# KiCad board 10087.kicad_pcb (continued)
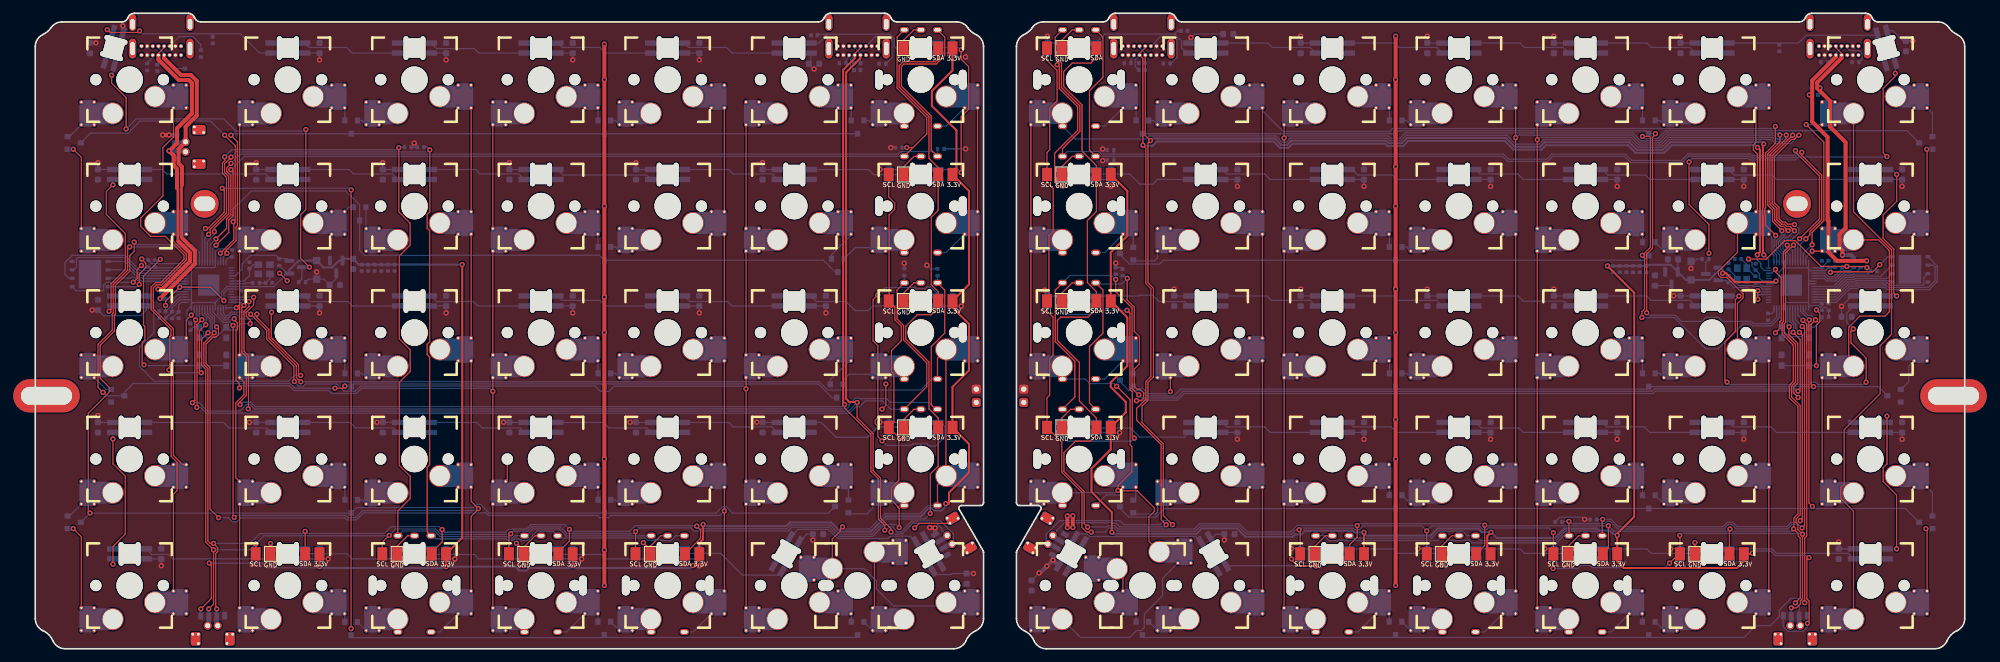
[diagram p0: board, top side]
## Placement (name value [footprint] x y rotation side) (continued)
R35  5.1kR  [R_0402_1005Metric]  161.79 75.1 180 bottom
R36  5.1kR  [R_0402_1005Metric]  161.79 73.58 180 bottom
R37  5.1kR  [R_0402_1005Metric]  162.58 56.92 90 bottom
R38  5.1kR  [R_0402_1005Metric]  163.59 56.68 90 bottom
R39  5.1kR  [R_0402_1005Metric]  229.21 19.11 180 bottom
R40  5.1kR  [R_0402_1005Metric]  234.46 19.44 180 bottom
SW1  KMR221NGLFS  [SW_Push_1P1T_NO_CK_KMR2]  26.69 47.62 0 bottom
SW2  KMR221NGLFS  [SW_Push_1P1T_NO_CK_KMR2]  26.69 43.46 180 bottom
SW3  KMR221NGLFS  [SW_Push_1P1T_NO_CK_KMR2]  264.81 47.62 0 bottom
SW4  KMR221NGLFS  [SW_Push_1P1T_NO_CK_KMR2]  264.81 43.46 180 bottom
U1  -  [RP2040TR13]  26.09 54.77 270 bottom
U2  MCP1700-3302E_SOT23  [SOT-23]  45.28 57.52 270 bottom
U3  W25Q32JVZP  [WSON-8-1EP_6x5mm_P1.27mm_EP3.4x4.3mm]  8.23 56.43 0 bottom
U4  -  [RP2040TR13]  264.22 54.77 90 bottom
U5  W25Q32JVZP  [WSON-8-1EP_6x5mm_P1.27mm_EP3.4x4.3mm]  282.08 57.15 180 bottom
U6  MCP1700-3302E_SOT23  [SOT-23]  246.2 55.83 270 bottom
USB1  -  [TYPEC-306DDW-ARP16#2]  18.95 90.77 0 bottom
USB2  -  [TYPEC-306DDW-ARP16#2]  123.73 90.77 0 bottom
USB3  -  [TYPEC-306DDW-ARP16#2]  166.59 90.77 0 bottom
USB4  -  [TYPEC-306DDW-ARP16]  271.36 90.77 0 bottom
Y1  12Mhz  [Crystal_SMD_2520-4Pin_2.5x2.0mm]  34.43 57.15 0 bottom
Y2  12Mhz  [Crystal_SMD_2520-4Pin_2.5x2.0mm]  256.81 56.46 90 bottom

## Library data of the parts
C1-C6 C16-C21 = -: Description: Unpolarized capacitor
C7-C15 C22-C30 LC1-LC35 LC51-LC85 = -: Description: Unpolarized capacitor, small symbol
D16 D17 D39 D40 D42-D45 D47-D50 = -: Description: Diode
D41 D46 = -: Description: 1000V 1A General Purpose Rectifier Diode, DO-41
H1-H4 = -: Description: Mounting Hole with connection
J1-J8 J16-J23 = -: Description: Generic connector, single row, 01x04, script generated (kicad-library-utils/schlib/autogen/connector/)
J9-J12 J24 = -: Description: Generic connectable mounting pin connector, single row, 01x04, script generated (kicad-library-utils/schlib/autogen/connector/); LCSC Part Number: C588524; Manufacturer: MOLEX
J13 J14 = -: Description: Generic connector, single row, 01x02, script generated (kicad-library-utils/schlib/autogen/connector/)
LED1-LED35 LED51-LED85 = -: Description: RGB LED with integrated controller
Q1 Q2 = -: Description: 50V Vds, 0.22A Id, N-Channel MOSFET, SOT-23
R1-R40 = -: Description: Resistor
SW1-SW4 = -: Description: Push button switch, generic, two pins
U1 = -: Field4: 0.268in/6.807mm; Field5: 0.016in/0.4mm; Field6: 0.126in/3.2mm; Field7: 0.007in/0.178mm; Field8: 0.126in/3.2mm; Field9: 0.032in/0.813mm; Field10: 0.268in/6.807mm
U2 U6 = -: Description: 250mA Low Quiscent Current LDO, 3.3V output, SOT-23
U3 U5 = -: Description: 32Mb Serial Flash Memory, Standard/Dual/Quad SPI, DFN-8
U4 = -: Field4: 0.268in/6.807mm; Field5: 0.016in/0.4mm; Field6: 0.032in/0.813mm; Field7: 0.007in/0.178mm; Field8: 0.268in/6.807mm; Field9: 0.126in/3.2mm; Field10: 0.126in/3.2mm
Y1 Y2 = -: Description: Four pin crystal, GND on pins 2 and 4

## Footprints (pads in the part's own frame, mm; a bottom-side part is the same pattern mirrored in y, then rotated)
C_0402_1005Metric
  rrect 0.56x0.62 smd: 1(-0.48,0) 2(0.48,0)
C_0603_1608Metric
  rrect 0.9x0.95 smd: 1(-0.775,0) 2(0.775,0)
Crystal_SMD_2520-4Pin_2.5x2.0mm
  rect 1.15x1 smd: 1(-0.875,-0.7) 2(0.875,-0.7) 3(0.875,0.7) 4(-0.875,0.7)
D_0402_1005Metric
  rrect 0.59x0.64 smd: 1(-0.485,0) 2(0.485,0)
D_SOD-123F
  rect 1.1x1.1 smd: 1(-1.4,0) 2(1.4,0)
encoder_minimal
  oval 3x1.2 hole 3x1.2 unplated: (0,-6.3) (0,6.3)
  oval 0.9x1.4 hole 0.5x1: 1(7.5,-2.5) 2(7.5,2.5) 3(7.5,0) 4(-7,2.5) 5(-7,-2.5)
MKI2C-1U
  round 2.7 hole 2.7 unplated: (0,0)
  rect 1.5x2 smd: 1(-2.6,4.763) 2(2.6,4.763) 3(-4.838,4.763) 4(4.763,4.763)
MKI2C-1U#2
  round 2.7 hole 2.7 unplated: (0,0)
  rect 1.5x2 smd: 1(-2.6,4.763) 2(2.6,4.763) 3(-4.838,4.763)
MKI2C-1U#3
  round 2.7 hole 2.7 unplated: (0,0)
  rect 1.5x2 smd: 1(-2.6,4.763) 2(2.6,4.763) 4(4.763,4.763)
Molex_Pico-EZmate_781710004
  rrect 0.7x1 smd: (-2.95,-2) (2.95,-2)
  rrect 0.75x1.2 smd: 1(-1.8,2) 4(1.8,2)
  round 1.2 hole 0.75: 2(-0.75,0.5) 3(0.75,0.5)
  rrect 0.75x2 smd: 2(-0.6,1.6) 3(0.6,1.6)
  round 0.6 hole 0.4: MP(-3,-0.8) MP(-2.15,-2.2) MP(-2.15,-0.8) MP(2.15,-2.2) MP(2.15,-0.8) MP(3,-0.8)
  rrect 1.45x2 smd far side: MP(-2.575,-1.5) MP(2.575,-1.5)
  rrect 1.45x2 smd: MP(-2.575,-1.5) MP(2.575,-1.5)
MountingHole_3.2mm_M3_Pad
  oval 10x5 hole 7.7x2.7: 1(0,0)
MountingHole_3.2mm_M3_Pad#2
  round 4.2 hole 3.2x2.2: 1(0,0)
MX-Kailh-Socket
  rrect 2.55x3 smd: (-6.29,5.08) (7.56,2.54)
  round 1.702 hole 1.702 unplated: (-5.08,0) (5.08,0)
  round 3.988 hole 3.988 unplated: (0,0)
  round 3.3 hole 3: 1(3.81,2.54) 2(-2.54,5.08)
  rect 3.3x3.3 smd: 1(5.46,2.55) 2(-4.19,5.08)
  round 0.6 hole 0.3: 1(6.59,0.84) 1(6.59,4.242) 1(8.53,0.838) 1(8.53,4.242) 2(-7.26,3.378) 2(-7.26,6.78) 2(-5.32,3.378) 2(-5.32,6.782)
  rrect 2.55x4 smd: 1(7.56,2.54) 2(-6.29,5.08)
PinSocket_1x02_P2.00mm_Vertical
  rrect 1.35x1.35 hole 0.8: 1(0,0) 2(0,-2)
R_0402_1005Metric
  rrect 0.54x0.64 smd: 1(-0.51,0) 2(0.51,0)
RP2040TR13
  rect 0.813x0.178 smd: 1(-3.404,2.6) 2(-3.404,2.2) 3(-3.404,1.8) 4(-3.404,1.4) 5(-3.404,1) 6(-3.404,0.6) 7(-3.404,0.2) 8(-3.404,-0.2) 9(-3.404,-0.6) 10(-3.404,-1) 11(-3.404,-1.4) 12(-3.404,-1.8) 13(-3.404,-2.2) 14(-3.404,-2.6) 29(3.404,-2.6) 30(3.404,-2.2) 31(3.404,-1.8) 32(3.404,-1.4) 33(3.404,-1) 34(3.404,-0.6) 35(3.404,-0.2) 36(3.404,0.2) 37(3.404,0.6) 38(3.404,1) 39(3.404,1.4) 40(3.404,1.8) 41(3.404,2.2) 42(3.404,2.6)
  rect 0.178x0.813 smd: 15(-2.6,-3.404) 16(-2.2,-3.404) 17(-1.8,-3.404) 18(-1.4,-3.404) 19(-1,-3.404) 20(-0.6,-3.404) 21(-0.2,-3.404) 22(0.2,-3.404) 23(0.6,-3.404) 24(1,-3.404) 25(1.4,-3.404) 26(1.8,-3.404) 27(2.2,-3.404) 28(2.6,-3.404) 43(2.6,3.404) 44(2.2,3.404) 45(1.8,3.404) 46(1.4,3.404) 47(1,3.404) 48(0.6,3.404) 49(0.2,3.404) 50(-0.2,3.404) 51(-0.6,3.404) 52(-1,3.404) 53(-1.4,3.404) 54(-1.8,3.404) 55(-2.2,3.404) 56(-2.6,3.404)
  rect 3.2x3.2 smd: 57(0,0)
SOT-23
  rrect 1.475x0.6 smd: 1(-0.938,0.95) 2(-0.938,-0.95) 3(0.938,0)
SOT-23-minimal
  rect 0.9x0.8 smd: 1(-1,0.95) 2(-1,-0.95) 3(1,0)
SW_Push_1P1T_NO_CK_KMR2
  rect 0.9x1 smd: 1(-2.05,0.8) 1(2.05,0.8) 2(-2.05,-0.8) 2(2.05,-0.8)
TYPEC-306DDW-ARP16
  round 0.65 hole 0.4: 1(-2.975,1.35) 2(-2.125,1.35) 3(-1.275,1.35) 4(-0.425,1.35) 5(0.425,1.35) 6(1.275,1.35) 7(2.125,1.35) 9(-2.975,0) 10(-2.125,0) 11(-1.275,0) 12(-0.425,0) 13(0.425,0) 14(1.275,0) 15(2.125,0) 16(2.975,0)
  oval 0.58x0.65 hole 0.4: 8(2.975,1.35)
  oval 1.1x2.5 hole 0.7x1.6: S(-4.32,-3.3) S(4.32,-3.3)
  oval 1.1x3 hole 0.7x2: S(-4.32,0.37) S(4.32,0.37)
TYPEC-306DDW-ARP16#2
  round 0.65 hole 0.4: 1(-2.975,1.35) 2(-2.125,1.35) 3(-1.275,1.35) 4(-0.425,1.35) 5(0.425,1.35) 6(1.275,1.35) 7(2.125,1.35) 8(2.975,1.35) 9(-2.975,0) 10(-2.125,0) 11(-1.275,0) 12(-0.425,0) 13(0.425,0) 14(1.275,0) 15(2.125,0) 16(2.975,0)
  oval 1.1x2.5 hole 0.7x1.6: S(-4.32,-3.3) S(4.32,-3.3)
  oval 1.1x3 hole 0.7x2: S(-4.32,0.37) S(4.32,0.37)
WS2812-3528-Reversed
  oval 0.75x3.55 hole 0.75x3.55 unplated: (-1.275,0) (1.275,0)
  oval 3.2x0.725 hole 3.2x0.725 unplated: (0,-1.087) (0,0) (0,0) (0,1.087)
  round 2 hole 2 unplated: (0,0)
  round 2.5 hole 2.5 unplated: (0,0)
  rect 1.8x0.82 smd: 1(2.5,0.75) 2(2.5,-0.75) 3(-2.5,-0.75) 4(-2.5,0.75)
WSON-8-1EP_6x5mm_P1.27mm_EP3.4x4.3mm
  rrect 1.37x1.73 smd: (-0.85,-1.075) (-0.85,1.075) (0.85,-1.075) (0.85,1.075)
  rrect 0.75x0.5 smd: 1(-2.7,1.905) 2(-2.7,0.635) 3(-2.7,-0.635) 4(-2.7,-1.905) 5(2.7,-1.905) 6(2.7,-0.635) 7(2.7,0.635) 8(2.7,1.905)
  rect 3.4x4.3 smd: 9(0,0)

## Nets
+1V1: C7.1 C8.1 C13.1 C22.1 C23.1 C28.1 U1.23 U1.45 U1.50 U4.23 U4.45 U4.50
+3V3: C1.1 C2.1 C3.1 C4.1 C5.1 C6.1 C10.1 C15.1 C16.1 C17.1 C18.1 C19.1 C20.1 C21.1 C25.1 C30.1 D41.2 D46.2 J1.4 J2.4 J3.4 J4.4 J5.4 J6.4 J7.4 J8.4 J11.4 J12.4 J17.4 J18.4 J19.4 J20.4 J21.4 J22.4 J23.4 Q1.1 Q2.1 R1.1 R2.1 R5.1 R7.2 R10.1 R15.1 R18.1 R21.2 R24.1 U1.1 U1.10 U1.22 U1.33 U1.42 U1.44 U1.48 U1.49 U2.2 U3.8 U4.1 U4.10 U4.22 U4.33 U4.42 U4.44 U4.48 U4.49 U5.8 U6.2
+5V: C14.2 C29.2 D41.1 D46.1 J9.1 J10.1 J13.1 J14.1 J24.1 LC1.1 LC2.1 LC3.1 LC4.1 LC5.1 LC6.1 LC7.1 LC8.1 LC9.1 LC10.1 LC11.1 LC12.1 LC13.1 LC14.1 LC15.1 LC16.1 LC17.1 LC18.1 LC19.1 LC20.1 LC21.1 LC22.1 LC23.1 LC24.1 LC25.1 LC26.1 LC27.1 LC28.1 LC29.1 LC30.1 LC31.1 LC32.1 LC33.1 LC34.1 LC35.1 LC51.1 LC52.1 LC53.1 LC54.1 LC55.1 LC56.1 LC57.1 LC58.1 LC59.1 LC60.1 LC61.1 LC62.1 LC63.1 LC64.1 LC65.1 LC66.1 LC67.1 LC68.1 LC69.1 LC70.1 LC71.1 LC72.1 LC73.1 LC74.1 LC75.1 LC76.1 LC77.1 LC78.1 LC79.1 LC80.1 LC81.1 LC82.1 LC83.1 LC84.1 LC85.1 LED1.1 LED2.1 LED3.1 LED4.1 LED5.1 LED6.1 LED7.1 LED8.1 LED9.1 LED10.1 LED11.1 LED12.1 LED13.1 LED14.1 LED15.1 LED16.1 LED17.1 LED18.1 LED19.1 LED20.1 LED21.1 LED22.1 LED23.1 LED24.1 LED25.1 LED26.1 LED27.1 LED28.1 LED29.1 LED30.1 LED31.1 LED32.1 LED33.1 LED34.1 LED35.1 LED51.1 LED52.1 LED53.1 LED54.1 LED55.1 LED56.1 LED57.1 LED58.1 LED59.1 LED60.1 LED61.1 LED62.1 LED63.1 LED64.1 LED65.1 LED66.1 LED67.1 LED68.1 LED69.1 LED70.1 LED71.1 LED72.1 LED73.1 LED74.1 LED75.1 LED76.1 LED77.1 LED78.1 LED79.1 LED80.1 LED81.1 LED82.1 LED83.1 LED84.1 LED85.1 R8.2 R22.2 R29.2 R30.2 R31.2 R32.2 R33.2 R34.2 R35.2 R36.2 R37.2 R38.2 R39.2 R40.2 U2.3 U6.3 USB1.2 USB1.7 USB1.10 USB1.15 USB2.2 USB2.7 USB2.10 USB2.15 USB3.2 USB3.7 USB3.10 USB3.15 USB4.2 USB4.7 USB4.10 USB4.15
GND: C1.2 C2.2 C3.2 C4.2 C5.2 C6.2 C7.2 C8.2 C9.2 C10.2 C11.2 C12.1 C13.2 C14.1 C15.2 C16.2 C17.2 C18.2 C19.2 C20.2 C21.2 C22.2 C23.2 C24.2 C25.2 C26.2 C27.1 C28.2 C29.1 C30.2 D16.2 D17.2 D39.2 D40.2 D42.2 D43.2 D44.2 D45.2 D47.2 D48.2 D49.2 D50.2 E1.3 E2.3 E3.3 E4.3 E5.3 E6.3 E7.3 E8.3 E9.3 E10.3 E11.3 E12.3 E13.3 E14.3 H1.1 H2.1 H3.1 H4.1 J1.1 J2.1 J3.1 J4.1 J5.1 J6.1 J7.1 J8.1 J9.4 J9.MP J10.4 J10.MP J11.1 J11.MP J12.1 J12.MP J13.2 J14.2 J16.1 J17.1 J18.1 J19.1 J20.1 J21.1 J22.1 J23.1 J24.4 J24.MP LC1.2 LC2.2 LC3.2 LC4.2 LC5.2 LC6.2 LC7.2 LC8.2 LC9.2 LC10.2 LC11.2 LC12.2 LC13.2 LC14.2 LC15.2 LC16.2 LC17.2 LC18.2 LC19.2 LC20.2 LC21.2 LC22.2 LC23.2 LC24.2 LC25.2 LC26.2 LC27.2 LC28.2 LC29.2 LC30.2 LC31.2 LC32.2 LC33.2 LC34.2 LC35.2 LC51.2 LC52.2 LC53.2 LC54.2 LC55.2 LC56.2 LC57.2 LC58.2 LC59.2 LC60.2 LC61.2 LC62.2 LC63.2 LC64.2 LC65.2 LC66.2 LC67.2 LC68.2 LC69.2 LC70.2 LC71.2 LC72.2 LC73.2 LC74.2 LC75.2 LC76.2 LC77.2 LC78.2 LC79.2 LC80.2 LC81.2 LC82.2 LC83.2 LC84.2 LC85.2 LED1.3 LED2.3 LED3.3 LED4.3 LED5.3 LED6.3 LED7.3 LED8.3 LED9.3 LED10.3 LED11.3 LED12.3 LED13.3 LED14.3 LED15.3 LED16.3 LED17.3 LED18.3 LED19.3 LED20.3 LED21.3 LED22.3 LED23.3 LED24.3 LED25.3 LED26.3 LED27.3 LED28.3 LED29.3 LED30.3 LED31.3 LED32.3 LED33.3 LED34.3 LED35.3 LED51.3 LED52.3 LED53.3 LED54.3 LED55.3 LED56.3 LED57.3 LED58.3 LED59.3 LED60.3 LED61.3 LED62.3 LED63.3 LED64.3 LED65.3 LED66.3 LED67.3 LED68.3 LED69.3 LED70.3 LED71.3 LED72.3 LED73.3 LED74.3 LED75.3 LED76.3 LED77.3 LED78.3 LED79.3 LED80.3 LED81.3 LED82.3 LED83.3 LED84.3 LED85.3 R11.2 R12.2 R13.2 R14.2 R19.1 R25.2 R26.2 R27.2 R28.2 SW1.1 SW2.1 SW3.1 SW4.1 U1.19 U1.57 U2.1 U3.4 U4.19 U4.57 U5.4 U6.1 USB1.1 USB1.8 USB1.9 USB1.16 USB1.S USB2.1 USB2.8 USB2.9 USB2.16 USB2.S USB3.1 USB3.8 USB3.9 USB3.16 USB3.S USB4.1 USB4.8 USB4.9 USB4.16 USB4.S Y1.2 Y1.4 Y2.2 Y2.4
/BOOTL: R9.1 SW2.2
/BOOTR: R23.1 SW4.2
/c0L: E1.4 E2.4 E3.4 E4.4 K7.1 K14.1 K21.1 K28.1 K35.1 K35-1.1 U1.31
/c0R: E8.5 E9.5 E10.5 E11.5 K42.2 K49.2 K56.2 K63.2 K70.2 K70-1.2 U4.35
/c1L: K6.2 K13.2 K20.2 K27.2 K34.2 U1.30
/c1R: K41.1 K48.1 K55.1 K62.1 K69.1 U4.30
/c2L: E5.4 K5.1 K12.1 K19.1 K26.1 K33.1 U1.35
/c2R: E12.5 K40.2 K47.2 K54.2 K61.2 K68.2 U4.31
/c3L: E6.5 K4.2 K11.2 K18.2 K25.2 K32.2 U1.32
/c3R: E13.4 K39.1 K46.1 K53.1 K60.1 K67.1 U4.32
/c4L: E7.4 K3.1 K10.1 K17.1 K24.1 K31.1 U1.34
/c4R: E14.5 K38.2 K45.2 K52.2 K59.2 K66.2 U4.34
/c5L: K2.2 K9.2 K16.2 K23.2 K30.2 U1.29
/c5R: K37.1 K44.1 K51.1 K58.1 K65.1 U4.29
/c6L: K8.1 K15.1 K22.1 U1.41
/c6R: K43.2 K50.2 K57.2 U4.41
/c7L: K1.1 K29.1 U1.38
/c7R: K36.2 K64.2 U4.40
/CLKL: U1.52 U3.6
/CLKR: U4.52 U5.6
/CSL: R9.2 R10.2 U1.56 U3.1
/CSR: R23.2 R24.2 U4.56 U5.1
/D+L: D43.1 J24.3 R3.1 USB1.4 USB1.13
/D+R: D45.1 R16.1 USB4.4 USB4.13
/D-L: D42.1 J24.2 R4.1 USB1.5 USB1.12
/D-R: D40.1 R17.1 USB4.5 USB4.12
/e1A: E1.1 E2.1 R30.1 U1.9
/e1B: E1.2 E2.2 R29.1 U1.8
/e2A: E3.1 E4.1 R32.1 U1.39
/e2B: E3.2 E4.2 R31.1 U1.40
/e3A: E5.1 E6.1 E7.1 R34.1 U1.6
/e3B: E5.2 E6.2 E7.2 R33.1 U1.7
/e4A: E8.2 E9.2 R36.1 U4.39
/e4B: E8.1 E9.1 R35.1 U4.38
/e5A: E10.2 E11.2 R38.1 U4.9
/e5B: E10.1 E11.1 R37.1 U4.8
/e6A: E12.2 E13.2 E14.2 R40.1 U4.7
/e6B: E12.1 E13.1 E14.1 R39.1 U4.6
/k7: D3.2 E1.5 K7.2
/k14: D7.2 E2.5 K14.2
/k21: D11.2 E3.5 K21.2
/k28: D15.2 E4.5 K28.2
/k31: D18.2 E7.5 K31.2
/k32: D19.1 E6.4 K32.1
/k33: D19.2 E5.5 K33.2
/k42: D23.1 E8.4 K42.1
/k49: D27.1 E9.4 K49.1
/k56: D31.1 E10.4 K56.1
/k63: D35.1 E11.4 K63.1
/k66: D36.1 E14.4 K66.1
/k67: D37.2 E13.5 K67.2
/k68: D37.1 E12.4 K68.1
/PRIMARYL: R15.2 U1.14
/PRIMARYR: R19.2 U4.14
/r0L: D1.3 D2.3 D3.3 U1.13
/r0R: D21.3 D22.3 D23.3 U4.13
/r1L: D4.3 D5.3 D6.3 D7.3 U1.12
/r1R: D24.3 D25.3 D26.3 D27.3 U4.12
/r2L: D8.3 D9.3 D10.3 D11.3 U1.3
/r2R: D28.3 D29.3 D30.3 D31.3 U4.3
/r3L: D12.3 D13.3 D14.3 D15.3 U1.4
/r3R: D32.3 D33.3 D34.3 D35.3 U4.4
/r4L: D18.3 D19.3 D20.3 U1.5
/r4R: D36.3 D37.3 D38.3 U4.5
/RESETL: R1.2 SW1.2 U1.26
/RESETR: R5.2 SW3.2 U4.26
/RGB_3.3vL: Q1.2 R7.1 U1.18
/RGB_3.3vR: Q2.2 R21.1 U4.18
/RGB_5vL: LED1.4 Q1.3 R8.1
/RGB_5vR: LED51.4 Q2.3 R22.1
/RXL: D17.1 J9.3 U1.28 USB2.4 USB2.13
/RXR: D39.1 J10.2 U4.28 USB3.5 USB3.12
/SCLL: J2.3 J3.3 J4.3 J5.3 J6.3 J7.3 J8.3 J11.3 U1.37
/SCLR: J12.3 J16.3 J17.3 J18.3 J19.3 J20.3 J21.3 J22.3 J23.3 U4.37
/SDAL: J1.2 J2.2 J3.2 J4.2 J5.2 J6.2 J7.2 J8.2 J11.2 U1.36
/SDAR: J12.2 J16.2 J17.2 J18.2 J19.2 J20.2 J21.2 J22.2 J23.2 U4.36
/SPI-0L: U1.53 U3.5
/SPI-0R: U4.53 U5.5
/SPI-1L: U1.55 U3.2
/SPI-1R: U4.55 U5.2
/SPI-2L: U1.54 U3.3
/SPI-2R: U4.54 U5.3
/SPI-3L: U1.51 U3.7
/SPI-3R: U4.51 U5.7
/TXL: D16.1 J9.2 U1.27 USB2.5 USB2.12
/TXR: D44.1 J10.3 U4.27 USB3.4 USB3.13
Net-(C12-Pad2): C12.2 R6.2 Y1.3
Net-(C27-Pad2): C27.2 R20.2 Y2.3
Net-(D1-A-Pad1): D1.1 K2.1
Net-(D1-A-Pad2): D1.2 K3.2
Net-(D2-A-Pad1): D2.1 K4.1
Net-(D2-A-Pad2): D2.2 K5.2
Net-(D3-A-Pad1): D3.1 K6.1
Net-(D4-A-Pad1): D4.1 K8.2
Net-(D4-A-Pad2): D4.2 K1.2
Net-(D5-A-Pad1): D5.1 K9.1
Net-(D5-A-Pad2): D5.2 K10.2
Net-(D6-A-Pad1): D6.1 K11.1
Net-(D6-A-Pad2): D6.2 K12.2
Net-(D7-A-Pad1): D7.1 K13.1
Net-(D8-A-Pad2): D8.2 K15.2
Net-(D9-A-Pad1): D9.1 K16.1
Net-(D9-A-Pad2): D9.2 K17.2
Net-(D10-A-Pad1): D10.1 K18.1
Net-(D10-A-Pad2): D10.2 K19.2
Net-(D11-A-Pad1): D11.1 K20.1
Net-(D12-A-Pad1): D12.1 K29.2
Net-(D12-A-Pad2): D12.2 K22.2
Net-(D13-A-Pad1): D13.1 K23.1
Net-(D13-A-Pad2): D13.2 K24.2
Net-(D14-A-Pad1): D14.1 K25.1
Net-(D14-A-Pad2): D14.2 K26.2
Net-(D15-A-Pad1): D15.1 K27.1
Net-(D18-A-Pad1): D18.1 K30.1
Net-(D20-A-Pad1): D20.1 K34.1
Net-(D20-A-Pad2): D20.2 K35.2 K35-1.2
Net-(D21-A-Pad1): D21.1 K38.1
Net-(D21-A-Pad2): D21.2 K37.2
Net-(D22-A-Pad1): D22.1 K40.1
Net-(D22-A-Pad2): D22.2 K39.2
Net-(D23-A-Pad2): D23.2 K41.2
Net-(D24-A-Pad1): D24.1 K36.1
Net-(D24-A-Pad2): D24.2 K43.1
Net-(D25-A-Pad1): D25.1 K45.1
Net-(D25-A-Pad2): D25.2 K44.2
Net-(D26-A-Pad1): D26.1 K47.1
Net-(D26-A-Pad2): D26.2 K46.2
Net-(D27-A-Pad2): D27.2 K48.2
Net-(D28-A-Pad1): D28.1 K50.1
Net-(D29-A-Pad1): D29.1 K52.1
Net-(D29-A-Pad2): D29.2 K51.2
Net-(D30-A-Pad1): D30.1 K54.1
Net-(D30-A-Pad2): D30.2 K53.2
Net-(D31-A-Pad2): D31.2 K55.2
Net-(D32-A-Pad1): D32.1 K57.1
Net-(D32-A-Pad2): D32.2 K64.1
Net-(D33-A-Pad1): D33.1 K59.1
Net-(D33-A-Pad2): D33.2 K58.2
Net-(D34-A-Pad1): D34.1 K61.1
Net-(D34-A-Pad2): D34.2 K60.2
Net-(D35-A-Pad2): D35.2 K62.2
Net-(D36-A-Pad2): D36.2 K65.2
Net-(D38-A-Pad1): D38.1 K70.1 K70-1.1
Net-(D38-A-Pad2): D38.2 K69.2
Net-(D47-K): D47.1 LED1.2 LED2.4
Net-(D48-K): D48.1 LED6.2 LED7.4
Net-(D49-K): D49.1 LED51.2 LED52.4
Net-(D50-K): D50.1 LED56.2 LED57.4
Net-(LED2-DOUT): LED2.2 LED3.4
Net-(LED3-DOUT): LED3.2 LED4.4
Net-(LED4-DOUT): LED4.2 LED5.4
Net-(LED5-DOUT): LED5.2 LED6.4
Net-(LED7-DOUT): LED7.2 LED8.4
Net-(LED8-DOUT): LED8.2 LED9.4
Net-(LED10-DIN): LED9.2 LED10.4
Net-(LED10-DOUT): LED10.2 LED11.4
Net-(LED11-DOUT): LED11.2 LED12.4
Net-(LED12-DOUT): LED12.2 LED13.4
Net-(LED13-DOUT): LED13.2 LED14.4
Net-(LED14-DOUT): LED14.2 LED15.4
Net-(LED15-DOUT): LED15.2 LED16.4
Net-(LED16-DOUT): LED16.2 LED17.4
Net-(LED17-DOUT): LED17.2 LED18.4
Net-(LED18-DOUT): LED18.2 LED19.4
Net-(LED19-DOUT): LED19.2 LED20.4
Net-(LED20-DOUT): LED20.2 LED21.4
Net-(LED21-DOUT): LED21.2 LED22.4
Net-(LED22-DOUT): LED22.2 LED23.4
Net-(LED23-DOUT): LED23.2 LED24.4
Net-(LED24-DOUT): LED24.2 LED25.4
Net-(LED25-DOUT): LED25.2 LED26.4
Net-(LED26-DOUT): LED26.2 LED27.4
Net-(LED27-DOUT): LED27.2 LED28.4
Net-(LED28-DOUT): LED28.2 LED29.4
Net-(LED29-DOUT): LED29.2 LED30.4
Net-(LED30-DOUT): LED30.2 LED31.4
Net-(LED31-DOUT): LED31.2 LED32.4
Net-(LED32-DOUT): LED32.2 LED33.4
Net-(LED33-DOUT): LED33.2 LED34.4
Net-(LED34-DOUT): LED34.2 LED35.4
Net-(LED35-DOUT): LED35.2
Net-(LED52-DOUT): LED52.2 LED53.4
Net-(LED53-DOUT): LED53.2 LED54.4
Net-(LED54-DOUT): LED54.2 LED55.4
Net-(LED55-DOUT): LED55.2 LED56.4
Net-(LED57-DOUT): LED57.2 LED58.4
Net-(LED58-DOUT): LED58.2 LED59.4
Net-(LED59-DOUT): LED59.2 LED60.4
Net-(LED60-DOUT): LED60.2 LED61.4
Net-(LED61-DOUT): LED61.2 LED62.4
Net-(LED62-DOUT): LED62.2 LED63.4
Net-(LED63-DOUT): LED63.2 LED64.4
Net-(LED64-DOUT): LED64.2 LED65.4
Net-(LED65-DOUT): LED65.2 LED66.4
Net-(LED66-DOUT): LED66.2 LED67.4
Net-(LED67-DOUT): LED67.2 LED68.4
Net-(LED68-DOUT): LED68.2 LED69.4
Net-(LED69-DOUT): LED69.2 LED70.4
Net-(LED70-DOUT): LED70.2 LED71.4
Net-(LED71-DOUT): LED71.2 LED72.4
Net-(LED72-DOUT): LED72.2 LED73.4
Net-(LED73-DOUT): LED73.2 LED74.4
Net-(LED74-DOUT): LED74.2 LED75.4
Net-(LED75-DOUT): LED75.2 LED76.4
Net-(LED76-DOUT): LED76.2 LED77.4
Net-(LED77-DOUT): LED77.2 LED78.4
Net-(LED78-DOUT): LED78.2 LED79.4
Net-(LED79-DOUT): LED79.2 LED80.4
Net-(LED80-DOUT): LED80.2 LED81.4
Net-(LED81-DOUT): LED81.2 LED82.4
Net-(LED82-DOUT): LED82.2 LED83.4
Net-(LED83-DOUT): LED83.2 LED84.4
Net-(LED84-DOUT): LED84.2 LED85.4
Net-(LED85-DOUT): LED85.2
Net-(U1-ADC_AVDD): C9.1 R2.2 U1.43
Net-(U1-USB_DM): R4.2 U1.46
Net-(U1-USB_DP): R3.2 U1.47
Net-(U1-XIN): C11.1 U1.20 Y1.1
Net-(U1-XOUT): R6.1 U1.21
Net-(U4-ADC_AVDD): C24.1 R18.2 U4.43
Net-(U4-USB_DM): R17.2 U4.46
Net-(U4-USB_DP): R16.2 U4.47
Net-(U4-XIN): C26.1 U4.20 Y2.1
Net-(U4-XOUT): R20.1 U4.21
Net-(USB1-CC1_A5): R11.1 USB1.3
Net-(USB1-CC2_B5): R12.1 USB1.14
Net-(USB2-CC1_A5): R13.1 USB2.3
Net-(USB2-CC2_B5): R14.1 USB2.14
Net-(USB3-CC1_A5): R25.1 USB3.3
Net-(USB3-CC2_B5): R27.1 USB3.14
Net-(USB4-CC1_A5): R26.1 USB4.3
Net-(USB4-CC2_B5): R28.1 USB4.14

Pads without a net: D8 1; D28 2; U1 2 11 15 16 17 24 25; U3 9; U4 2 11 15 16 17 24 25; U5 9; USB1 6 11; USB2 6 11; USB3 6 11; USB4 6 11

## Via types
v1: diameter 0.8, hole 0.4, Top to Bottom, 355 vias

## Routing (per net, layer and track width the routed paths; a pad name or vN(x,y) marks a point on that pad's centre or on a via; arc(x,y) is an arc through that point)
+1V1: length 65.3
  Top w0.18: v1(19.61,51.71) 19.61,52.33 v1(21.73,54.46) 26.36,54.46 v1(28.39,52.43) ; v1(275.62,57.41) 275.45,57.57 272.57,57.57 v1(272.56,57.58) 268.7,57.58 264.81,61.47 263.24,61.47 260.45,58.69 v1(257.79,58.69)
  Bottom w0.18: v1(21.73,54.46) 22.24,54.97 U1.50 20.82,54.97 C7.1 ; v1(275.62,57.41) C22.1 275.75,56.46 273.6,56.46 273.41,56.28 272.28,56.28 270.58,54.57 U4.50 ; v1(19.61,51.71) C8.1 21.75,52.97 U1.45 ; v1(272.56,57.58) 271.98,57.58 C23.1 271.85,57.23 270.66,56.05 269.83,56.05 269.31,56.57 U4.45 ; C13.1 30.75,54.17 U1.23 28.92,54.17 28.39,53.63 v1(28.39,52.43) ; v1(257.79,58.69) 258.31,58.16 258.31,57.58 C28.1 259.44,56.46 259.44,55.79 259.86,55.37 U4.23
+3V3: length 673.6
  Top w0.18: v1(270.1,56.69) 270.18,56.77 276.47,56.77 v1(277.54,57.84) ; v1(266.66,3.83) 266.92,4.08 266.92,7.16 266.56,7.52 266.56,13.42 v1(266.87,13.73) ; v1(16.01,58.7) 16.64,58.06 16.64,57.43 15.64,56.42 v1(15.64,54.88) ; v1(24.9,5.98) 26.48,7.57 26.48,12.59 v1(26.18,12.9)
  Top w0.3: v1(219.05,17.55) 218.48,16.97 218.48,14.79 J21.4 ; J6.4 80.88,14.27 v1(80.88,12.5) ; J17.4 164.31,68.95 164.31,62.18 161.83,59.7 J18.4 164.31,49.9 164.31,42.61 161.83,40.13 161.83,39.42 164.09,37.16 164.09,35.6 J19.4 161.83,30.02 158.92,27.12 158.92,23.62 161.99,20.55 v1(161.99,17.56) ; v1(64.22,57.86) 64.24,57.85 64.24,16.71 J7.4 61.81,14.28 v1(61.81,12.36) ; J20.4 v1(199.93,17.53) ; J1.4 138.01,87.12 134.91,84.02 134.91,81.77 138.61,78.07 138.61,72.03 J2.4 140.5,68.95 140.5,54.87 J3.4 138.01,51.4 139.94,49.47 139.94,49.47 140.5,48.92 140.5,41.93 138.01,39.44 J4.4 140.5,30.85 140.5,26.53 137.49,23.51 137.49,21.87 137.48,21.86 v1(137,21.86) ; v1(100.48,18.72) 100.48,16.47 99.91,15.9 J5.4 99.91,13.48 v1(98.95,12.52) ; v1(253.89,56.56) 254.43,56.56 255.77,55.22 261.77,55.22 v1(261.92,55.36) ; v1(42.77,12.36) 42.77,14.28 J8.4 ; v1(236.56,57.66) 240.59,53.63 240.59,19.89 238.03,17.33 v1(238.03,17.08) J22.4 238.03,13.12 238.99,12.16 256.06,12.16 257.08,13.18 J23.4 258.27,14.29 v1(258.38,14.39)
  Bottom w0.18: 23.49,54.22 23.44,54.17 U1.48 ; 23.49,54.22 23.49,52.53 ; 23.49,54.22 23.49,54.42 ; 26.87,52.16 27.05,52.16 28.02,53.12 28.02,53.73 28.86,54.57 U1.22 29.51,54.56 33.86,54.56 ; 26.87,52.16 27.09,51.94 U1.33 ; 26.87,52.16 23.71,52.16 23.49,51.95 U1.42 ; 266.82,57.19 267.04,56.97 U4.44 267.63,56.96 268.19,56.96 268.2,56.95 269.34,56.95 R18.1 269.85,57.45 270.31,57.45 ; 266.82,57.19 266.82,55.59 ; 266.82,57.19 266.82,57.59 ; 266.82,57.59 U4.42 ; 266.82,57.59 266.61,57.37 263,57.37 ; v1(42.77,12.36) 42.59,12.19 34.86,12.19 34.15,12.9 v1(26.18,12.9) ; 270.31,57.45 270.31,56.9 v1(270.1,56.69) ; 270.31,57.45 C25.1 ; R5.1 269.84,50.94 R24.1 269.34,51.48 268.48,51.48 268.27,51.68 267.14,51.68 U4.1 266.82,52.16 ; U1.42 23.22,51.37 22.83,50.97 22.83,49.52 R1.1 ; U1.42 23.49,52.53 ; v1(253.89,56.56) 254.41,56.56 R21.2 ; C10.1 20.57,50.78 R2.1 20.58,51.33 21.81,52.57 U1.44 23.45,52.57 23.49,52.53 ; J12.4 263,4.97 263,3.35 263.73,2.62 265.95,2.62 266.66,3.33 v1(266.66,3.83) ; v1(258.38,14.39) 258.69,14.71 261.16,14.71 261.83,14.04 266.56,14.04 v1(266.87,13.73) ; R7.2 37.91,56.52 Q1.1 37.88,56.52 35.91,54.56 33.86,54.56 ; 33.83,54.53 33.86,54.56 ; U4.48 267.04,55.37 266.82,55.59 ; 266.82,55.59 266.82,55.04 ; 23.49,57.43 U1.1 23.34,58.01 17.51,58.01 R10.1 16.82,58.7 v1(16.01,58.7) ; 23.49,57.43 23.52,57.4 26.91,57.4 27.09,57.59 U1.10 27.09,59.76 27.55,60.22 29.44,60.22 R15.1 ; 23.49,57.43 23.49,54.42 ; v1(15.64,54.88) 15.28,54.53 U3.8 ; U4.10 263.22,51.95 263.43,52.16 266.82,52.16 ; U1.49 23.34,54.57 23.49,54.42 ; C30.1 247.15,58.58 U6.2 ; 266.82,52.16 266.82,55.04 ; 263,57.37 263.22,57.6 U4.33 ; 263,57.37 262.38,56.76 262.38,55.83 v1(261.92,55.36) 261.52,54.97 U4.22 ; 266.82,55.04 266.9,54.96 266.9,54.97 U4.49 ; v1(24.9,5.98) 24.9,4.98 J11.4 ; v1(277.54,57.84) 278.74,59.05 U5.8 ; C21.1 C16.1
  Bottom w0.3: v1(98.95,12.52) 98.59,12.16 81.22,12.16 v1(80.88,12.5) 80.53,12.16 74.3,12.16 73.91,11.77 72.81,11.77 72.22,12.36 v1(61.81,12.36) 61.61,12.16 42.97,12.16 v1(42.77,12.36) ; Q1.1 38.23,57.05 39.64,58.46 D41.2 43.37,57.43 44.66,57.43 45.7,58.46 U2.2 46.5,58.74 47.81,58.74 48.68,57.86 C1.1 C6.1 v1(64.22,57.86) ; v1(137,21.86) 137,21.52 136.31,20.83 135.19,20.83 134.83,21.18 134.5,21.18 133.25,19.94 127.99,19.94 125.69,17.64 121.15,17.64 119.76,19.03 113.56,19.03 112.99,18.46 100.74,18.46 v1(100.48,18.72) ; v1(161.99,17.56) 162.23,17.31 174.72,17.31 175.51,18.11 180.83,18.11 182.07,16.88 189.21,16.88 189.55,17.22 190.49,17.22 191.05,17.78 198.22,17.78 198.47,17.53 199.92,17.53 v1(199.93,17.53) 199.93,17.44 200.33,17.04 209.96,17.04 211.02,18.11 217.12,18.11 217.64,17.59 219.01,17.59 v1(219.05,17.55) 219.92,16.67 228.64,16.67 230.07,18.1 235.01,18.1 235.31,17.79 236.85,17.79 237.32,17.33 237.78,17.33 v1(238.03,17.08) ; C21.1 v1(236.56,57.66) C16.1 242.59,57.83 246.08,57.83 U6.2 248.35,55.56 D46.2 251.9,55.56 253.24,56.91 Q2.1 253.56,57.4 R21.2
+5V: length 288
  Top w0.18: 160.61,75.26 v1(160.6,75.27)
  Top w0.6: v1(20.14,77.39) v1(19.16,77.39) ; v1(134.58,18.26) 134.61,18.22 v1(135.39,18.22)
  Bottom w0.18: v1(9.12,91.27) 9.11,91.26 LC1.1 ; v1(282.5,91.55) 282.5,91.55 LC51.1 281.07,91.55 279.52,93.1 LED51.1 ; LED14.1 9.45,72.19 LC14.1 v1(9.43,73.22) ; v1(246.09,15.05) 246.09,15.06 LC80.1 247.58,15.04 LED80.1 ; v1(190.4,92.27) LC55.1 190.43,91.24 LED55.1 ; LED19.1 99.89,51.64 LC19.1 v1(99.91,50.6) ; LED83.1 190.43,15.04 LC83.1 189.01,15.06 v1(189.01,15.06) ; v1(218.98,31.55) LC75.1 218.95,32.59 LED75.1 ; R22.2 250.01,58.69 249.68,58.36 D46.1 v1(249.14,57.28) ; v1(80.86,50.6) LC18.1 80.84,51.64 LED18.1 ; LED4.1 80.84,89.74 LC4.1 v1(80.86,88.7) ; LED5.1 99.89,89.74 LC5.1 v1(99.91,88.7) ; LED61.1 218.95,70.69 LC61.1 v1(218.98,69.65) ; v1(70.45,34.11) 70.46,34.11 LC25.1 71.36,34.09 LED25.1 ; LED6.1 116.7,88.4 LC6.1 116.4,88.09 v1(117.17,87.32) ; v1(209.45,54.17) LC68.1 209.48,53.14 LED68.1 ; LED71.1 152.33,53.14 LC71.1 152.3,53.6 v1(151.89,54.02) ; v1(160.61,73.54) 160.66,73.58 R36.2 ; LED66.1 247.58,53.14 LC66.1 246.53,53.16 v1(246.53,53.16) 246.2,53.49 U6.3 245.99,54.69 C29.2 ; v1(280.89,69.65) LC64.1 280.86,70.69 LED64.1 ; v1(190.4,54.17) LC69.1 190.43,53.14 LED69.1 ; v1(199.93,31.55) LC74.1 199.9,32.59 LED74.1 ; v1(108.56,34.11) 108.57,34.11 LC23.1 109.46,34.09 LED23.1 ; LC56.1 174.45,92.6 173.93,92.07 v1(173.88,92.07) 173.88,92.02 173.61,91.76 LED56.1 ; v1(13.17,93.83) 13.18,93.82 LED1.1 ; v1(127.11,34.11) 127.11,34.11 LC22.1 128.51,34.09 LED22.1 ; v1(141.17,11.32) 141.16,11.33 LC35.1 140.13,11.32 137.96,11.32 137.81,11.17 135.61,11.17 LED35.1 ; 130.77,57.22 R32.2 v1(130.75,58.06) ; v1(162.58,58.09) R37.2 163.36,57.43 R38.2 ; LED7.1 137.99,89.74 LC7.1 138.59,89.13 v1(139.96,89.13) ; 152.26,12.5 v1(152.2,12.43) 152.05,12.43 LC85.1 ; U2.3 45.28,55.78 C14.2 43.42,55.66 D41.1 ; v1(128.74,75.49) 128.75,75.48 R30.2 ; LED9.1 109.46,72.19 LC9.1 v1(109.44,73.22) ; LED33.1 99.89,13.54 LC33.1 99.91,12.5 v1(99.92,12.5) ; LED15.1 16.69,51.05 15.82,50.17 10.27,50.17 LC15.1 8.56,51.02 v1(8.56,51.01) ; LED70.1 171.38,53.14 LC70.1 v1(171.35,54.17) ; R31.2 134.71,57.22 v1(134.16,57.77) ; LED52.1 247.99,91.24 247.97,91.26 ; v1(116.99,16.38) 117,16.38 LC34.1 116.1,17.26 LED34.1 ; v1(42.76,88.7) LC2.1 42.74,89.74 LED2.1 ; v1(160.6,75.27) 161.11,75.27 R35.2 ; v1(209.45,92.27) LC54.1 209.48,91.24 LED54.1 ; LED72.1 161.8,32.59 LC72.1 163.14,32.56 v1(163.15,32.55) ; LED17.1 61.79,51.64 LC17.1 v1(61.81,50.6) ; LED28.1 9.45,34.09 LC28.1 v1(9.43,35.12) ; LED82.1 209.48,15.04 LC82.1 208.09,15.06 v1(208.06,15.08) ; LED60.1 199.9,70.69 LC60.1 v1(199.93,69.65) ; LED11.1 71.36,72.19 LC11.1 v1(71.34,73.22) ; LED78.1 280.86,32.59 LC78.1 v1(280.89,31.55) ; LED79.1 271.39,15.04 LC79.1 v1(271.36,16.07) ; LED3.1 61.79,89.74 LC3.1 v1(61.81,88.7) ; v1(63.11,13.52) 63.11,13.51 LC31.1 61.79,13.54 LED31.1 ; v1(161.83,69.65) LC58.1 161.8,70.69 LED58.1 ; LED26.1 52.31,34.09 LC26.1 51.4,34.11 v1(51.39,34.1) ; v1(52.29,73.22) LC12.1 52.31,72.19 LED12.1 ; v1(89.5,34.11) 89.51,34.11 LC24.1 90.41,34.09 LED24.1 ; v1(90.39,73.22) LC10.1 90.41,72.19 LED10.1 ; v1(238.03,69.65) LC62.1 238,70.69 LED62.1 ; LED76.1 238,32.59 LC76.1 v1(238.03,31.55) ; LED8.1 128.51,72.19 LC8.1 ; v1(227.12,15.06) 227.12,15.06 LC81.1 228.53,15.04 LED81.1 ; LED77.1 257.05,32.59 LC77.1 v1(257.08,31.55) ; LED21.1 137.99,51.64 LC21.1 139.3,51.61 v1(139.31,51.6) ; 128.5,72.22 LC8.1 ; LC8.1 127.12,72.21 v1(127.11,72.2) ; LED65.1 273.34,53.14 v1(271.78,51.58) LC65.1 ; LED13.1 33.26,72.19 LC13.1 v1(33.24,73.22) ; LED32.1 80.84,13.54 LC32.1 82.2,13.51 v1(82.2,13.52) ; LED57.1 152.33,91.24 LC57.1 152.3,92.26 v1(152.31,92.27) ; v1(32.22,34.1) 32.22,34.11 LC27.1 33.26,34.09 LED27.1 ; LED20.1 118.94,51.64 LC20.1 v1(118.96,50.6) ; LC52.1 v1(247.55,92.27) ; R40.2 233.17,19.44 v1(233.12,19.48) 232.8,19.81 229.4,19.81 R39.2 ; R8.2 41.1,55.66 D41.1 ; D41.1 v1(42.33,56.75) ; v1(257.08,69.65) LC63.1 257.05,70.69 LED63.1 ; R29.2 v1(139.99,75.3) ; v1(42.76,50.6) LC16.1 42.74,51.64 LED16.1 ; v1(44.06,13.52) 44.06,13.51 LC30.1 42.74,13.54 LED30.1 ; v1(180.88,31.55) LC73.1 180.85,32.59 LED73.1 ; LED29.1 18.93,13.54 LC29.1 v1(18.95,12.5) ; v1(180.88,69.65) LC59.1 180.85,70.69 LED59.1 ; v1(228.5,54.17) LC67.1 228.53,53.14 LED67.1 ; LED84.1 177.24,16.83 177.67,17.26 LC84.1 178.91,16.39 v1(178.92,16.38) ; LED53.1 228.53,91.24 LC53.1 v1(228.5,92.27) ; 57.02,76 R34.2 R33.2 57.47,75.7 v1(57.02,76.16) 57.02,76
  Bottom w0.6: v1(151.02,11.4) 151.2,11.4 v1(153.13,13.34) ; v1(135.39,18.22) 135.38,18.21 J9.1 ; J24.1 20.15,77.4 v1(20.14,77.39) ; v1(153.13,13.34) J10.1 ; v1(153.13,13.34) LED85.1
